# KiCad board kleingorium2.kicad_pcb
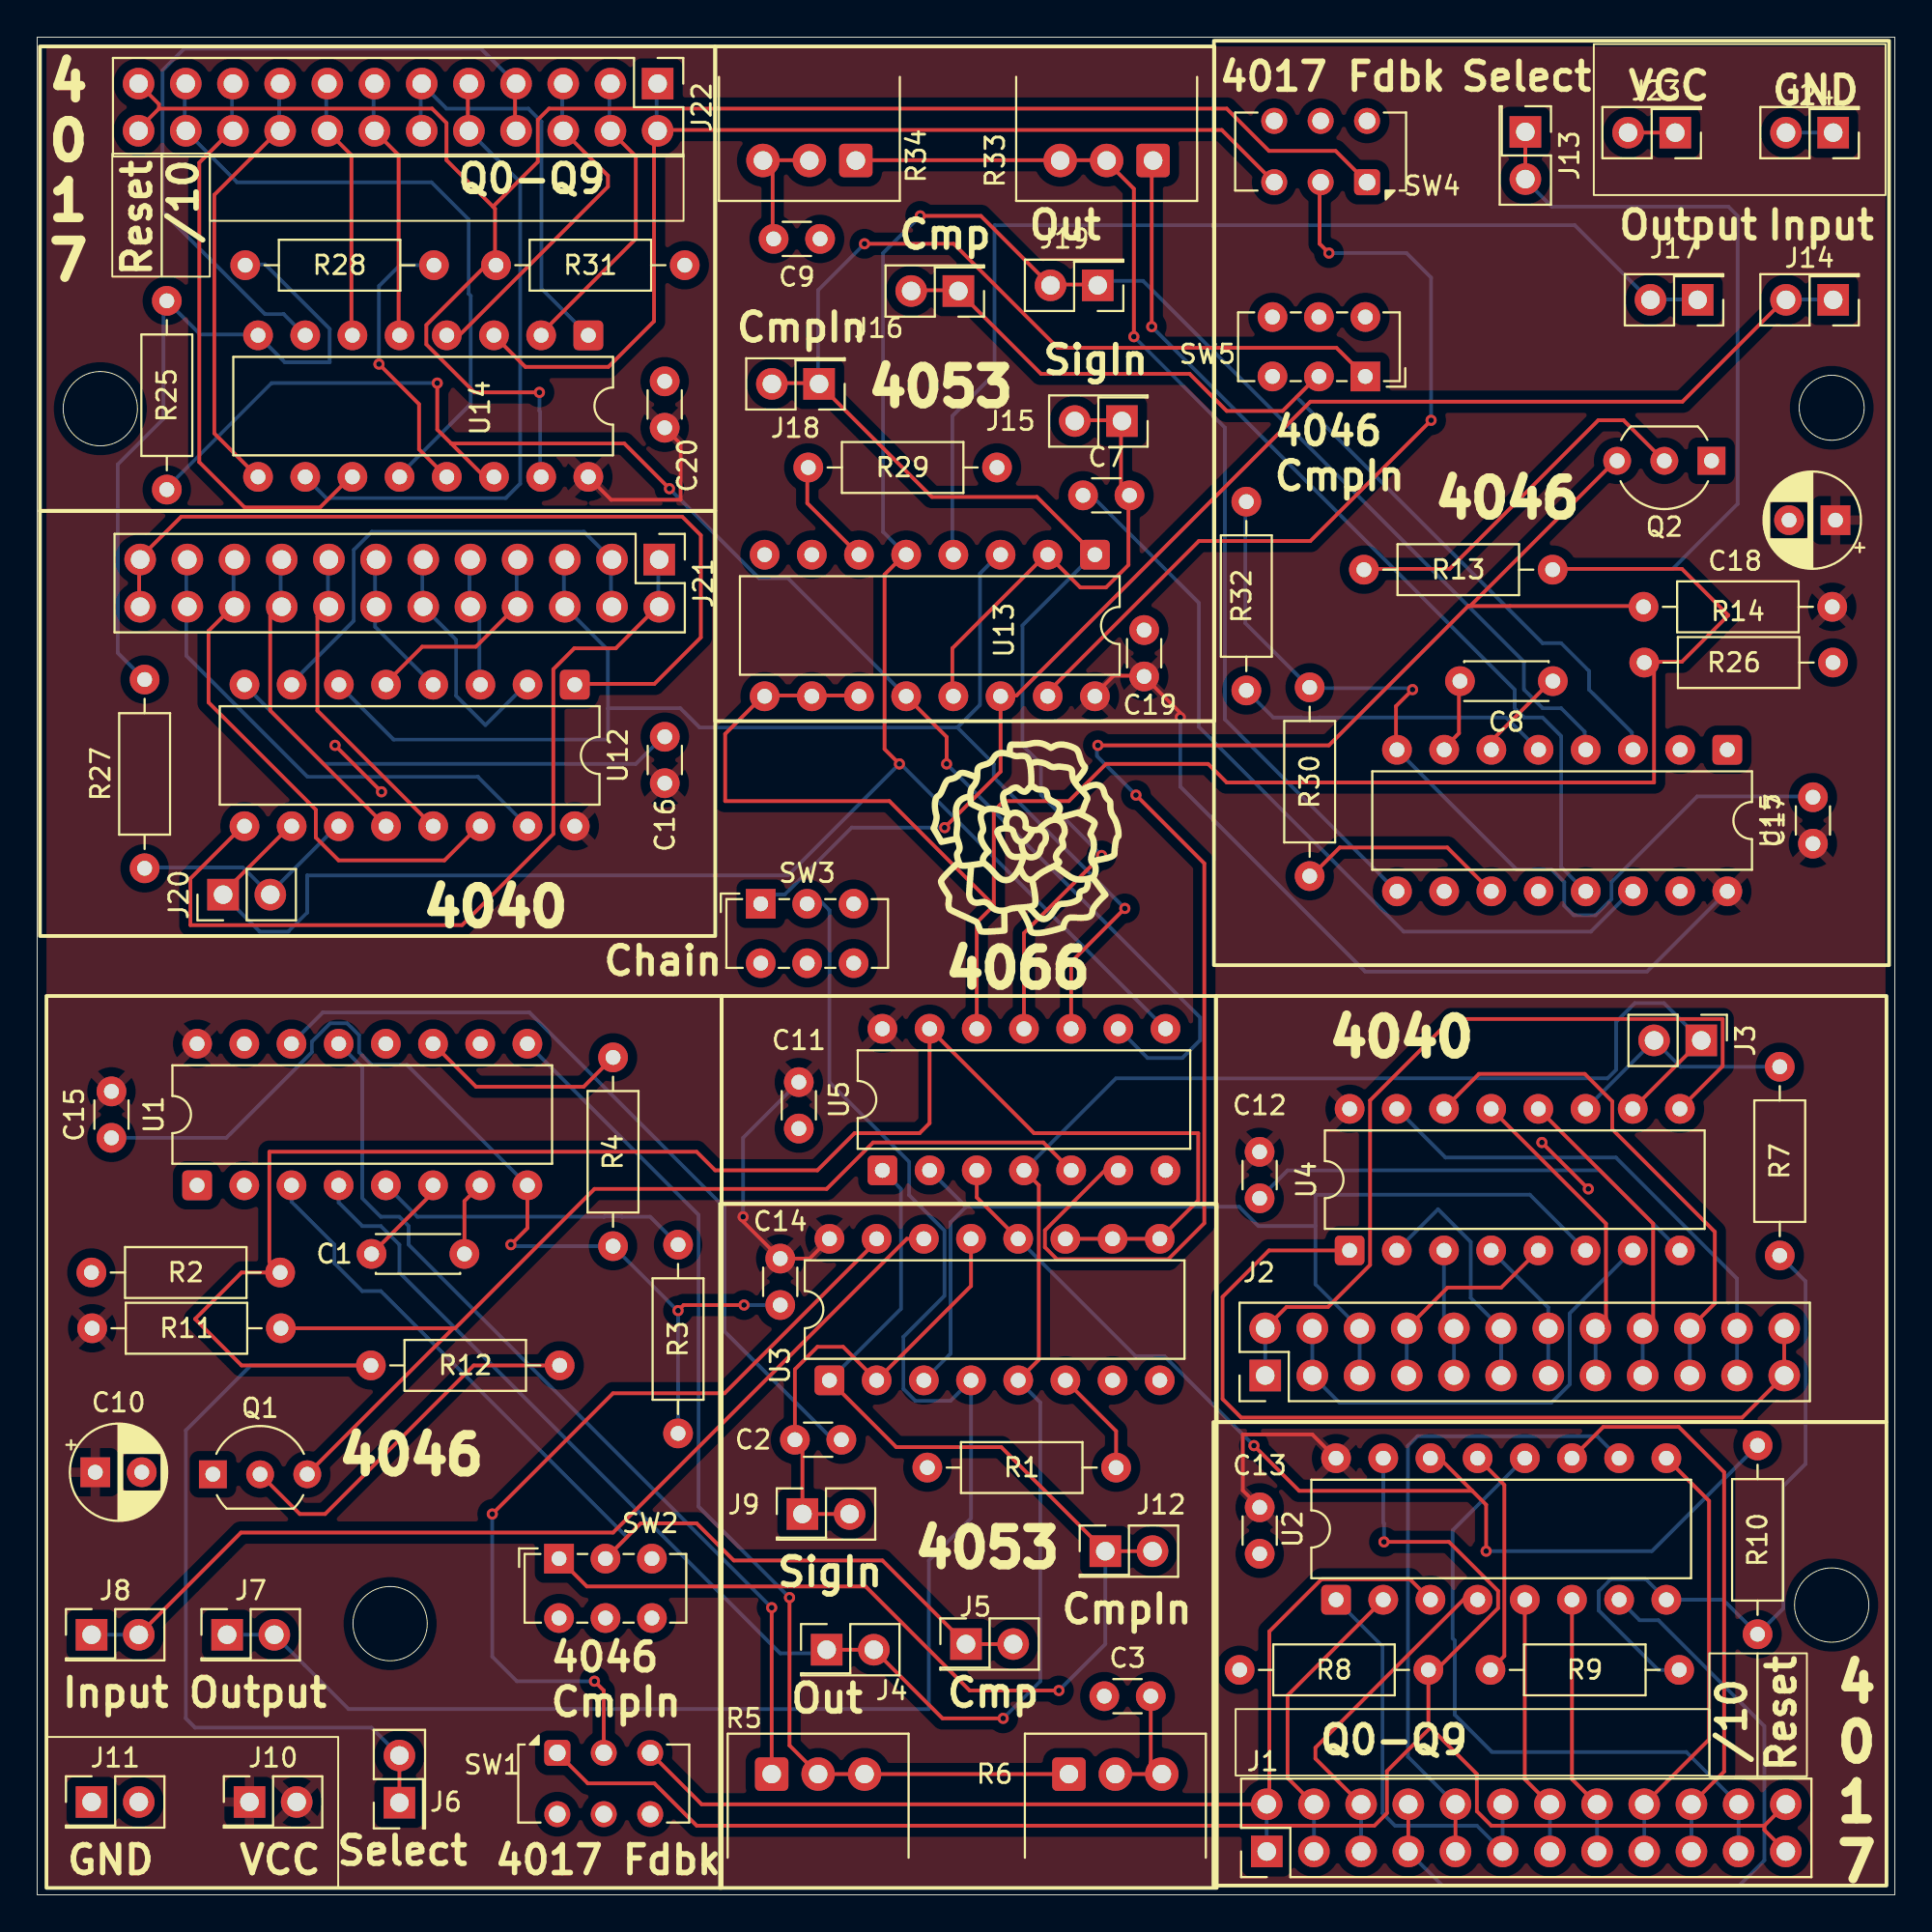
[diagram p0: board, top side]
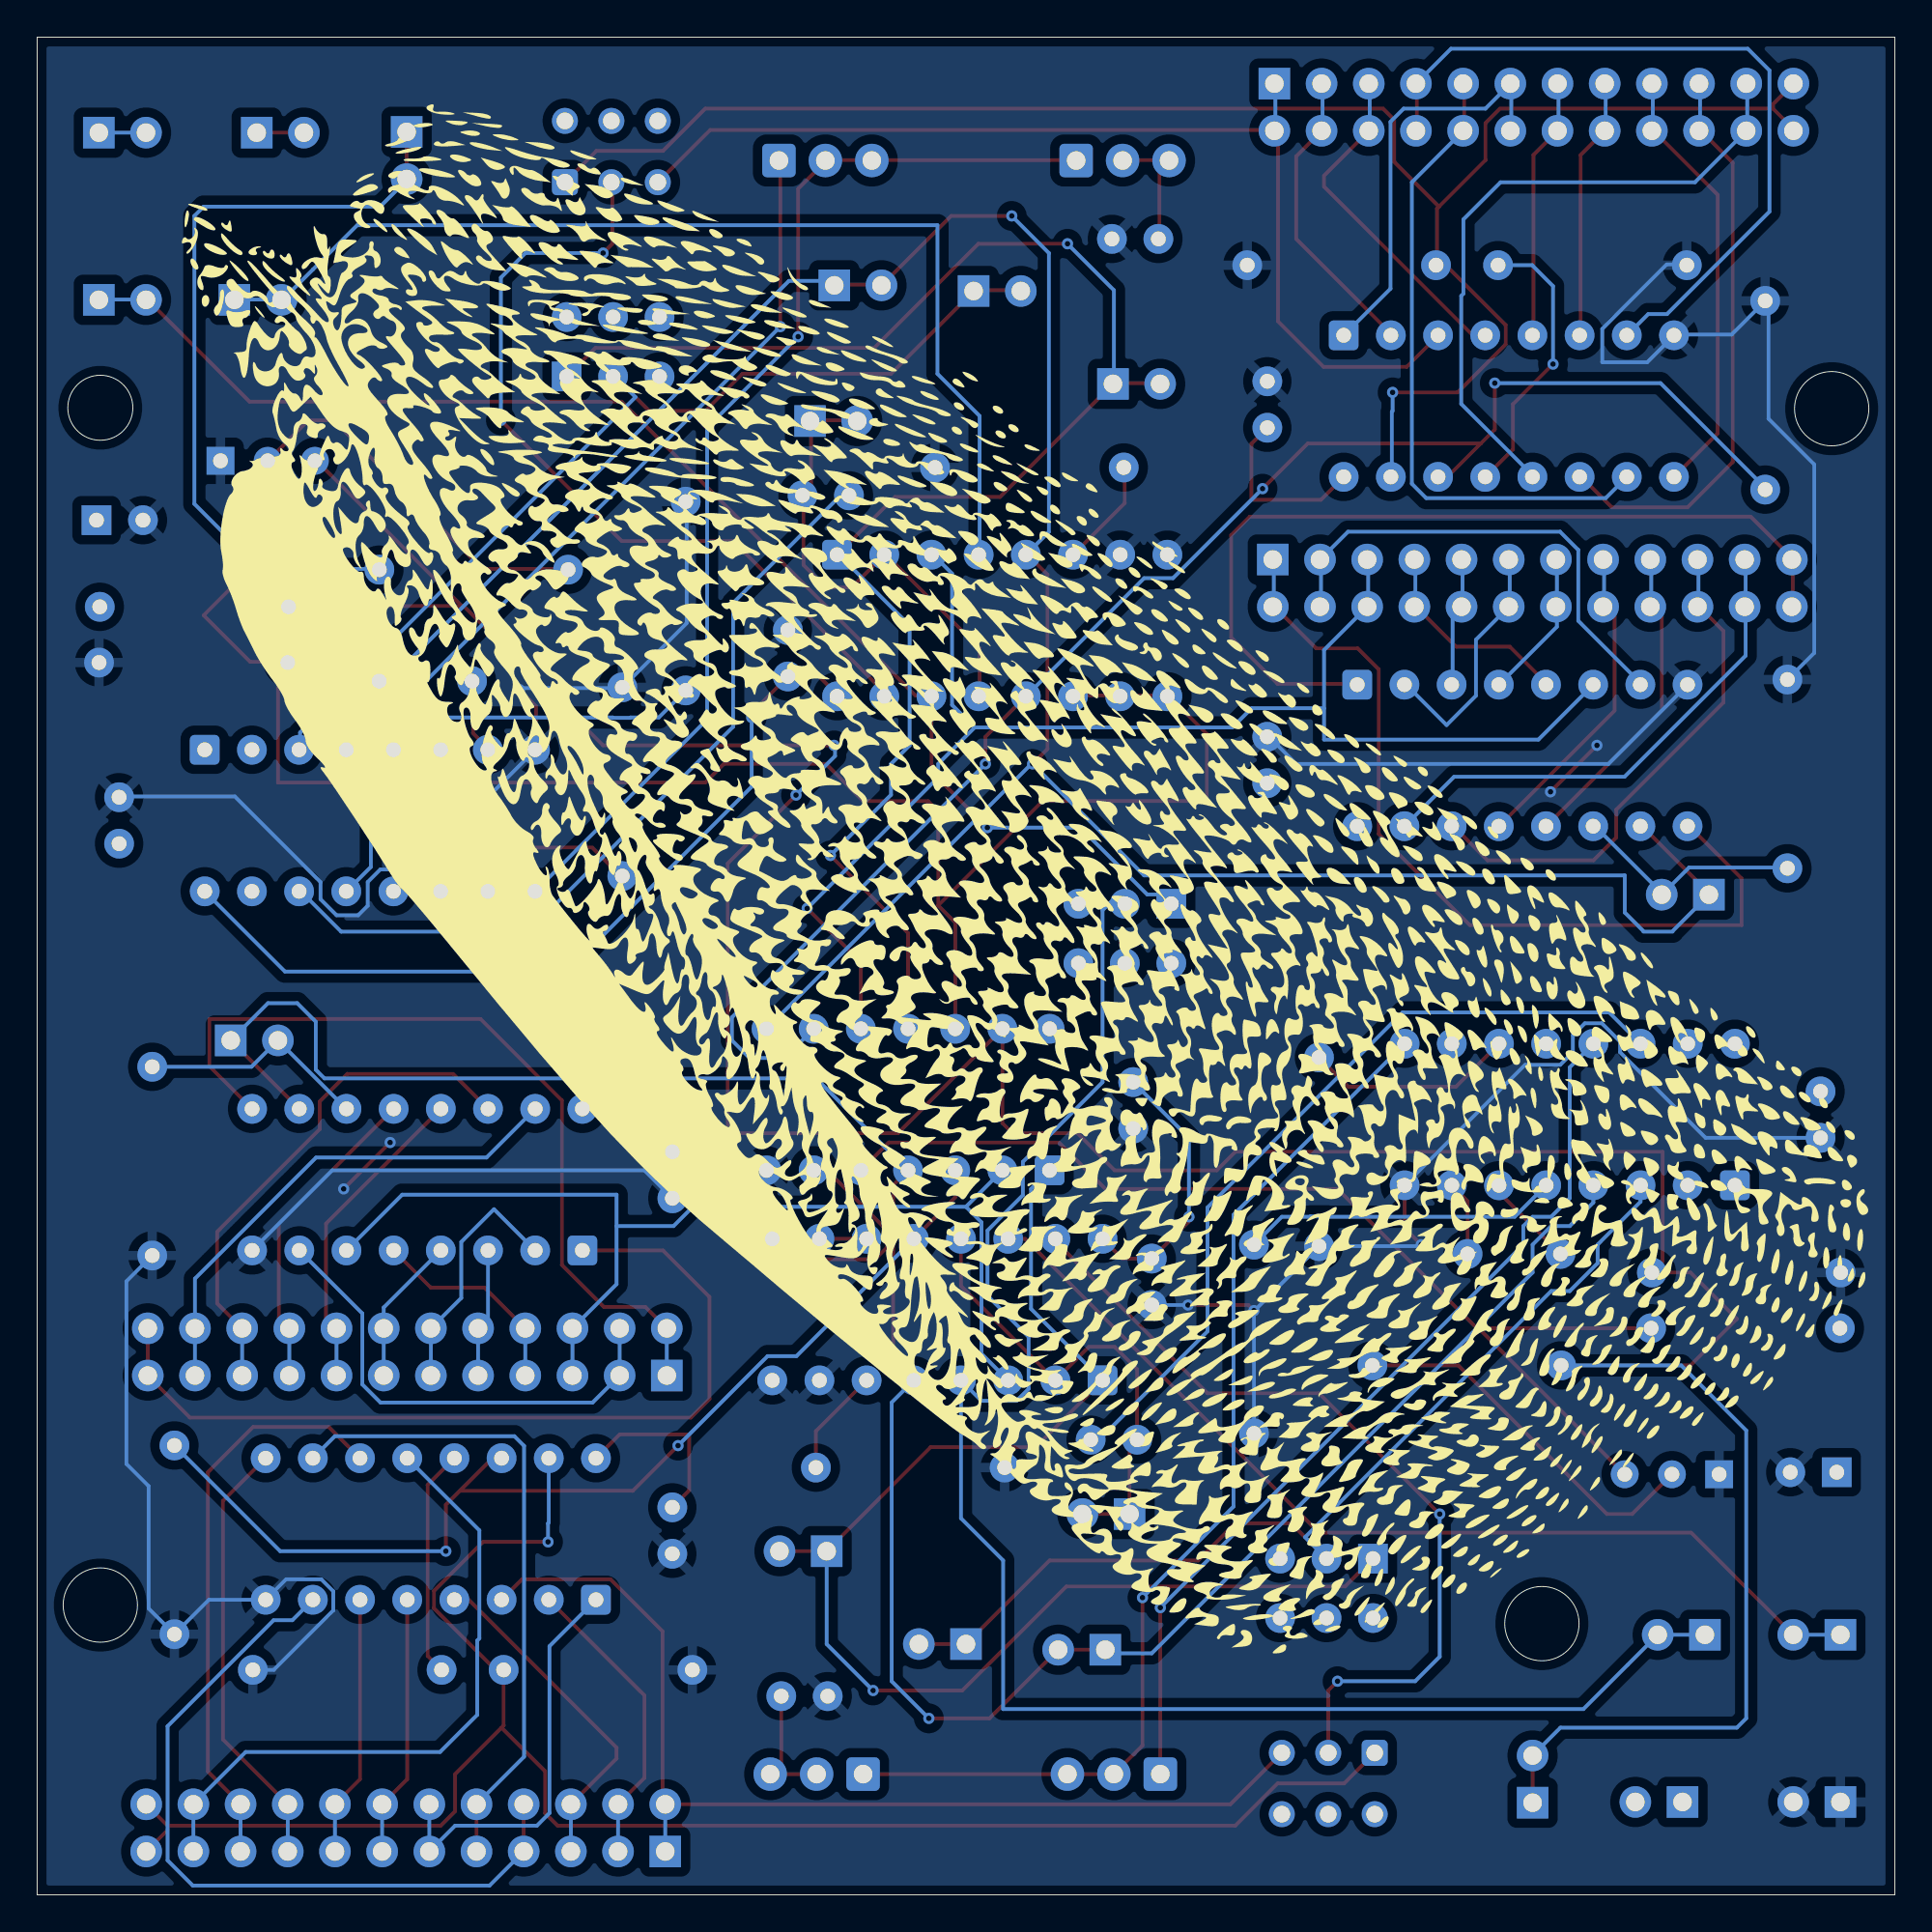
[diagram p1: board, bottom side, seen from below]

Outline 100 x 100 mm; copper layers: Top, Bottom. Coordinates in mm from the lower left corner of the outline.
Outline path: rectangle 0,100 100,0 ; circle c3.4,80 r2 ; circle c19,14.6 r2 ; circle c96.6,80.05 r1.75 ; circle c96.6,15.6 r2
Stack: Top 0.035mm / dielectric 1.51mm FR4 er 4.5 / Bottom 0.035mm

## Placement (name value [footprint] x y rotation side)
C1  C1  [C_Disc_D4.3mm_W1.9mm_P5.00mm]  18 34.5 0 top
C2  1uF  [C_Disc_D3.0mm_W1.6mm_P2.50mm]  43.29 24.5 180 top
C3  1uF  [C_Disc_D3.0mm_W1.6mm_P2.50mm]  57.44 10.69 0 top
C7  1uF  [C_Disc_D3.0mm_W1.6mm_P2.50mm]  56.3 75.33 0 top
C8  C1  [C_Disc_D4.3mm_W1.9mm_P5.00mm]  81.59 65.33 180 top
C9  1uF  [C_Disc_D3.0mm_W1.6mm_P2.50mm]  42.15 89.14 180 top
C10  10uF  [CP_Radial_D5.0mm_P2.50mm]  3.13 22.75 0 top
C11  100nF  [C_Disc_D3.0mm_W1.6mm_P2.50mm]  41 43.75 270 top
C12  100nF  [C_Disc_D3.0mm_W1.6mm_P2.50mm]  65.81 40 270 top
C13  100nF  [C_Disc_D3.0mm_W1.6mm_P2.50mm]  65.81 20.86 270 top
C14  100nF  [C_Disc_D3.0mm_W1.6mm_P2.50mm]  40 34.25 270 top
C15  100nF  [C_Disc_D3.0mm_W1.6mm_P2.50mm]  4 43.25 270 top
C16  100nF  [C_Disc_D3.0mm_W1.6mm_P2.50mm]  33.78 59.84 90 top
C17  100nF  [C_Disc_D3.0mm_W1.6mm_P2.50mm]  95.59 56.58 90 top
C18  10uF  [CP_Radial_D5.0mm_P2.50mm]  96.81 74 180 top
C19  100nF  [C_Disc_D3.0mm_W1.6mm_P2.50mm]  59.59 65.58 90 top
C20  100nF  [C_Disc_D3.0mm_W1.6mm_P2.50mm]  33.78 78.97 90 top
J1  4017 Pins  [PinHeader_2x12_P2.54mm_Vertical]  66.19 2.34 90 top
J2  4040 Output  [PinHeader_2x12_P2.54mm_Vertical]  66.1 27.95 90 top
J3  4040 Input  [PinHeader_1x02_P2.54mm_Vertical]  89.58 46 270 top
J4  4046 Out  [PinHeader_2x01_P2.54mm_Vertical]  42.5 13.19 0 top
J5  4046 Comp  [PinHeader_2x01_P2.54mm_Vertical]  50 13.5 0 top
J6  Select  [PinHeader_2x01_P2.54mm_Vertical]  19.5 4.96 90 top
J7  Output  [PinHeader_2x01_P2.54mm_Vertical]  10.22 14 0 top
J8  Input  [PinHeader_2x01_P2.54mm_Vertical]  2.93 14 0 top
J9  4046 SigIn  [PinHeader_2x01_P2.54mm_Vertical]  41.19 20.5 0 top
J10  VCC  [PinHeader_2x01_P2.54mm_Vertical]  11.43 5 0 top
J11  GND  [PinHeader_2x01_P2.54mm_Vertical]  2.93 5 0 top
J12  4046 Comp In  [PinHeader_2x01_P2.54mm_Vertical]  57.5 18.5 0 top
J13  Select  [PinHeader_2x01_P2.54mm_Vertical]  80.11 94.9 270 top
J14  Input  [PinHeader_2x01_P2.54mm_Vertical]  96.68 85.86 180 top
J15  4046 SigIn  [PinHeader_2x01_P2.54mm_Vertical]  58.4 79.33 180 top
J16  4046 Comp  [PinHeader_2x01_P2.54mm_Vertical]  49.59 86.34 180 top
J17  Output  [PinHeader_2x01_P2.54mm_Vertical]  89.38 85.86 180 top
J18  4046 Comp In  [PinHeader_2x01_P2.54mm_Vertical]  42.09 81.33 180 top
J19  4046 Out  [PinHeader_2x01_P2.54mm_Vertical]  57.09 86.64 180 top
J20  4040 Input  [PinHeader_1x02_P2.54mm_Vertical]  10.01 53.84 90 top
J21  4040 Output  [PinHeader_2x12_P2.54mm_Vertical]  33.48 71.88 270 top
J22  4017 Pins  [PinHeader_2x12_P2.54mm_Vertical]  33.4 97.5 270 top
J23  VCC  [PinHeader_2x01_P2.54mm_Vertical]  88.18 94.86 180 top
J24  GND  [PinHeader_2x01_P2.54mm_Vertical]  96.68 94.86 180 top
Q1  2N3904  [TO-92_Inline_Wide]  9.46 22.64 0 top
Q2  2N3904  [TO-92_Inline_Wide]  90.13 77.19 180 top
R1  100K  [R_Axial_DIN0207_L6.3mm_D2.5mm_P10.16mm_Horizontal]  58.08 23 180 top
R2  100K  [R_Axial_DIN0207_L6.3mm_D2.5mm_P10.16mm_Horizontal]  13.08 33.5 180 top
R3  100K  [R_Axial_DIN0207_L6.3mm_D2.5mm_P10.16mm_Horizontal]  34.5 35 270 top
R4  100K  [R_Axial_DIN0207_L6.3mm_D2.5mm_P10.16mm_Horizontal]  31 45.08 270 top
R5  R5  [Potentiometer_Alps_RK097_Single_Horizontal]  39.54 6.5 90 top
R6  R6  [Potentiometer_Alps_RK097_Single_Horizontal]  55.54 6.5 90 top
R7  100K  [R_Axial_DIN0207_L6.3mm_D2.5mm_P10.16mm_Horizontal]  93.81 44.58 270 top
R8  100K  [R_Axial_DIN0207_L6.3mm_D2.5mm_P10.16mm_Horizontal]  74.89 12.11 180 top
R9  100K  [R_Axial_DIN0207_L6.3mm_D2.5mm_P10.16mm_Horizontal]  78.23 12.11 0 top
R10  100K  [R_Axial_DIN0207_L6.3mm_D2.5mm_P10.16mm_Horizontal]  92.61 24.19 270 top
R11  10k  [R_Axial_DIN0207_L6.3mm_D2.5mm_P10.16mm_Horizontal]  2.96 30.5 0 top
R12  100k  [R_Axial_DIN0207_L6.3mm_D2.5mm_P10.16mm_Horizontal]  17.97 28.5 0 top
R13  100k  [R_Axial_DIN0207_L6.3mm_D2.5mm_P10.16mm_Horizontal]  81.58 71.33 180 top
R14  10k  [R_Axial_DIN0207_L6.3mm_D2.5mm_P10.16mm_Horizontal]  96.63 69.33 180 top
R25  100K  [R_Axial_DIN0207_L6.3mm_D2.5mm_P10.16mm_Horizontal]  6.98 75.64 90 top
R26  100K  [R_Axial_DIN0207_L6.3mm_D2.5mm_P10.16mm_Horizontal]  86.51 66.33 0 top
R27  100K  [R_Axial_DIN0207_L6.3mm_D2.5mm_P10.16mm_Horizontal]  5.78 55.26 90 top
R28  100K  [R_Axial_DIN0207_L6.3mm_D2.5mm_P10.16mm_Horizontal]  21.36 87.72 180 top
R29  100K  [R_Axial_DIN0207_L6.3mm_D2.5mm_P10.16mm_Horizontal]  41.51 76.83 0 top
R30  100K  [R_Axial_DIN0207_L6.3mm_D2.5mm_P10.16mm_Horizontal]  68.5 54.84 90 top
R31  100K  [R_Axial_DIN0207_L6.3mm_D2.5mm_P10.16mm_Horizontal]  24.7 87.72 0 top
R32  100K  [R_Axial_DIN0207_L6.3mm_D2.5mm_P10.16mm_Horizontal]  65.09 64.83 90 top
R33  R5  [Potentiometer_Alps_RK097_Single_Horizontal]  60.07 93.36 270 top
R34  R6  [Potentiometer_Alps_RK097_Single_Horizontal]  44.07 93.36 270 top
SW1  4017 Feedback  [SW_CK_JS202011CQN_DPDT_Straight]  28 7.64 0 top
SW2  4046 CompIn  [SW_E-Switch_EG1271_SPDT]  28.09 18.1 0 top
SW3  Chain  [SW_E-Switch_EG1271_SPDT]  38.95 53.35 0 top
SW4  4017 Feedback  [SW_CK_JS202011CQN_DPDT_Straight]  71.59 92.19 180 top
SW5  4046 CompIn  [SW_E-Switch_EG1271_SPDT]  71.5 81.73 180 top
U1  4046  [DIP-16_W7.62mm]  8.61 38.19 90 top
U2  4017  [DIP-16_W7.62mm]  69.92 15.88 90 top
U3  CD4053B  [DIP-16_W7.62mm]  42.65 27.69 90 top
U4  4040  [DIP-16_W7.62mm]  70.65 34.69 90 top
U5  CD4066BE  [DIP-14_W7.62mm]  45.5 39 90 top
U12  4040  [DIP-16_W7.62mm]  28.94 65.14 270 top
U13  CD4053B  [DIP-16_W7.62mm]  56.94 72.14 270 top
U14  4017  [DIP-16_W7.62mm]  29.67 83.95 270 top
U15  4046  [DIP-16_W7.62mm]  90.98 61.64 270 top

## Library data of the parts
C1 C8 C11-C17 C19 C20 = -: Description: Unpolarized capacitor, small symbol; ki_fp_filters: C_*
C2 C3 C7 C9 = -: Description: Unpolarized capacitor; ki_fp_filters: C_*
C10 C18 = -: Description: Polarized capacitor; ki_fp_filters: CP_*
J1 J2 J21 J22 = -: Description: Generic connector, double row, 02x12, odd/even pin numbering scheme (row 1 odd numbers, row 2 even numbers), script generated (kicad-library-utils/schlib/autogen/connector/); ki_fp_filters: Connector*:*_2x??_*
J3 J20 = -: Description: Generic connector, single row, 01x02, script generated (kicad-library-utils/schlib/autogen/connector/); ki_fp_filters: Connector*:*_1x??_*
J4-J19 J23 J24 = -: Description: Generic connector, double row, 02x01, this symbol is compatible with counter-clockwise, top-bottom and odd-even numbering schemes., script generated (kicad-library-utils/schlib/autogen/connector/); ki_fp_filters: Connector*:*_2x??_*
Q1 Q2 = -: Datasheet: https://www.onsemi.com/pub/Collateral/2N3903-D.PDF; Description: 0.2A Ic, 40V Vce, Small Signal NPN Transistor, TO-92; ki_fp_filters: TO?92*
R1-R4 R7-R14 R25-R32 = -: Description: Resistor, small symbol; ki_fp_filters: R_*
R5 R6 R33 R34 = -: Description: Potentiometer; ki_fp_filters: Potentiometer*
SW1 SW4 = -: Description: Switch, dual pole double throw, separate symbols; ki_fp_filters: SW*DPDT*
SW2 SW3 SW5 = -: Description: Switch, single pole double throw
U1 U15 = -: Datasheet: https://assets.nexperia.com/documents/data-sheet/HEF4046B.pdf; Description: Phase Comp & VCO; ki_fp_filters: DIP?16*
U2 U14 = -: Datasheet: http://www.intersil.com/content/dam/Intersil/documents/cd40/cd4017bms-22bms.pdf; Description: Johnson Counter ( 10 outputs ); ki_fp_filters: DIP?16*
U3 U13 = -: Datasheet: http://www.ti.com/lit/ds/symlink/cd4052b.pdf; Description: CMOS triple 2-channel analog multiplexer/demultiplexer, TSSOP-16/DIP-16/SOIC-16; ki_fp_filters: TSSOP*4.4x5mm*P0.65mm* DIP*W7.62* SOIC*3.9x9.9mm*P1.27mm* SO*5.3x10.2mm*P1.27mm*
U4 U12 = -: Datasheet: http://www.intersil.com/content/dam/Intersil/documents/cd40/cd4020bms-24bms-40bms.pdf; Description: Binary Counter 12 stages (Asynchronous); ki_fp_filters: DIP?16*
U5 = -: Datasheet: https://www.ti.com/lit/ds/symlink/cd4066b.pdf; Description: Quad 20V analog SPST 1:1 switch, DIP-14; ki_fp_filters: DIP*W7.62*

## Footprints (pads in the part's own frame, mm; a bottom-side part is the same pattern mirrored in y, then rotated)
C_Disc_D3.0mm_W1.6mm_P2.50mm
  round 1.6 hole 0.8: 1(0,0) 2(2.5,0)
C_Disc_D4.3mm_W1.9mm_P5.00mm
  round 1.6 hole 0.8: 1(0,0) 2(5,0)
CP_Radial_D5.0mm_P2.50mm
  rect 1.6x1.6 hole 0.8: 1(0,0)
  round 1.6 hole 0.8: 2(2.5,0)
DIP-14_W7.62mm
  rrect 1.6x1.6 hole 0.8: 1(0,0)
  round 1.6 hole 0.8: 2(0,-2.54) 3(0,-5.08) 4(0,-7.62) 5(0,-10.16) 6(0,-12.7) 7(0,-15.24) 8(7.62,-15.24) 9(7.62,-12.7) 10(7.62,-10.16) 11(7.62,-7.62) 12(7.62,-5.08) 13(7.62,-2.54) 14(7.62,0)
DIP-16_W7.62mm
  rrect 1.6x1.6 hole 0.8: 1(0,0)
  round 1.6 hole 0.8: 2(0,-2.54) 3(0,-5.08) 4(0,-7.62) 5(0,-10.16) 6(0,-12.7) 7(0,-15.24) 8(0,-17.78) 9(7.62,-17.78) 10(7.62,-15.24) 11(7.62,-12.7) 12(7.62,-10.16) 13(7.62,-7.62) 14(7.62,-5.08) 15(7.62,-2.54) 16(7.62,0)
PinHeader_1x02_P2.54mm_Vertical
  rect 1.7x1.7 hole 1: 1(0,0)
  round 1.7 hole 1: 2(0,-2.54)
PinHeader_2x01_P2.54mm_Vertical
  rect 1.7x1.7 hole 1: 1(0,0)
  round 1.7 hole 1: 2(2.54,0)
PinHeader_2x12_P2.54mm_Vertical
  rect 1.7x1.7 hole 1: 1(0,0)
  round 1.7 hole 1: 2(2.54,0) 3(0,-2.54) 4(2.54,-2.54) 5(0,-5.08) 6(2.54,-5.08) 7(0,-7.62) 8(2.54,-7.62) 9(0,-10.16) 10(2.54,-10.16) 11(0,-12.7) 12(2.54,-12.7) 13(0,-15.24) 14(2.54,-15.24) 15(0,-17.78) 16(2.54,-17.78) 17(0,-20.32) 18(2.54,-20.32) 19(0,-22.86) 20(2.54,-22.86) 21(0,-25.4) 22(2.54,-25.4) 23(0,-27.94) 24(2.54,-27.94)
Potentiometer_Alps_RK097_Single_Horizontal
  rrect 1.8x1.8 hole 1: 1(0,0)
  round 1.8 hole 1: 2(0,-2.5) 3(0,-5)
R_Axial_DIN0207_L6.3mm_D2.5mm_P10.16mm_Horizontal
  round 1.6 hole 0.8: 1(0,0)
  oval 1.6x1.6 hole 0.8: 2(10.16,0)
SW_CK_JS202011CQN_DPDT_Straight
  rrect 1.4x1.4 hole 0.9: 1(0,0)
  round 1.4 hole 0.9: 2(2.5,0) 3(5,0) 4(5,-3.3) 5(2.5,-3.3) 6(0,-3.3)
SW_E-Switch_EG1271_SPDT
  rect 1.6x1.6 hole 0.8: 1(0,0)
  round 1.6 hole 0.8: 2(2.5,0) 3(5,0) 4(0,-3.2) 5(2.5,-3.2) 6(5,-3.2)
TO-92_Inline_Wide
  rect 1.5x1.5 hole 0.8: 1(0,0)
  round 1.5 hole 0.8: 2(2.54,0) 3(5.08,0)

## Nets
GND: C3.1 C9.1 C10.2 C11.2 C12.2 C13.2 C14.2 C15.2 C16.2 C17.2 C18.2 C19.2 C20.2 J11.1 J11.2 Q1.1 Q2.1 R1.2 R2.2 R3.2 R4.2 R7.2 R8.2 R9.2 R10.2 R25.2 R26.2 R27.2 R28.2 R29.2 R30.2 R31.2 R32.2 U1.8 U2.8 U3.7 U3.8 U4.8 U5.7 U12.8 U13.7 U13.8 U14.8 U15.8
VCC: C10.1 C11.1 C12.1 C13.1 C14.1 C15.1 C16.1 C17.1 C18.1 C19.1 C20.1 J10.1 J10.2 R11.1 R14.1 U1.16 U2.16 U3.16 U4.16 U5.14 U12.16 U13.16 U14.16 U15.16
/4017 2/Clock: R25.1 U5.9 U13.12 U14.14
/4017 2/ClockEnable: R28.1 U14.13
/4017 2/Q0: J22.1 J22.2 SW4.3 U14.3
/4017 2/Q1: J22.3 J22.4 U14.2
/4017 2/Q2: J22.5 J22.6 U14.4
/4017 2/Q3: J22.7 J22.8 U14.7
/4017 2/Q4: J22.9 J22.10 U14.10
/4017 2/Q5: J22.11 J22.12 U14.1
/4017 2/Q6: J22.13 J22.14 U14.5
/4017 2/Q7: J22.15 J22.16 U14.6
/4017 2/Q8: J22.17 J22.18 U14.9
/4017 2/Q9: J22.19 J22.20 U14.11
/4017 2/Q10: J22.21 J22.22 U14.12
/4017 2/Reset: J22.23 J22.24 R31.1 SW4.1 U14.15
/4017/Clock: R10.1 U2.14 U3.12 U5.3
/4017/ClockEnable: R9.1 U2.13
/4017/Q0: J1.1 J1.2 SW1.3 U2.3
/4017/Q1: J1.3 J1.4 U2.2
/4017/Q2: J1.5 J1.6 U2.4
/4017/Q3: J1.7 J1.8 U2.7
/4017/Q4: J1.9 J1.10 U2.10
/4017/Q5: J1.11 J1.12 U2.1
/4017/Q6: J1.13 J1.14 U2.5
/4017/Q7: J1.15 J1.16 U2.6
/4017/Q8: J1.17 J1.18 U2.9
/4017/Q9: J1.19 J1.20 U2.11
/4017/Q10: J1.21 J1.22 U2.12
/4017/Reset: J1.23 J1.24 R8.1 SW1.1 U2.15
/4040 2/Clock: J19.1 J19.2 J20.1 U5.8 U12.10 U13.5 U15.4
/4040 2/Q0: J21.1 J21.2 U12.9
/4040 2/Q1: J21.3 J21.4 U12.7
/4040 2/Q2: J21.5 J21.6 U5.10 U12.6 U13.3
/4040 2/Q3: J21.7 J21.8 U12.5
/4040 2/Q4: J21.9 J21.10 U12.3
/4040 2/Q5: J21.11 J21.12 U12.2
/4040 2/Q6: J21.13 J21.14 U12.4
/4040 2/Q7: J21.15 J21.16 U12.13
/4040 2/Q8: J21.17 J21.18 U12.12
/4040 2/Q9: J21.19 J21.20 U12.14
/4040 2/Q10: J21.21 J21.22 U12.15
/4040 2/Q11: J21.23 J21.24 U12.1
/4040 2/Reset: J20.2 R27.1 U12.11
/4040/Clock: J3.1 J4.1 J4.2 U1.4 U3.5 U4.10 U5.4
/4040/Q0: J2.1 J2.2 U4.9
/4040/Q1: J2.3 J2.4 U4.7
/4040/Q2: J2.5 J2.6 U3.3 U4.6 U5.2
/4040/Q3: J2.7 J2.8 U4.5
/4040/Q4: J2.9 J2.10 U4.3
/4040/Q5: J2.11 J2.12 U4.2
/4040/Q6: J2.13 J2.14 U4.4
/4040/Q7: J2.15 J2.16 U4.13
/4040/Q8: J2.17 J2.18 U4.12
/4040/Q9: J2.19 J2.20 U4.14
/4040/Q10: J2.21 J2.22 U4.15
/4040/Q11: J2.23 J2.24 U4.1
/4040/Reset: J3.2 R7.1 U4.11
/4046 2/Comp: J16.1 J16.2 SW5.2 U15.3
/4046 2/SigIn: C7.2 J15.1 J15.2 U13.2 U13.13
/4046/Comp: J5.1 J5.2 SW2.2 U1.3
/4046/SigIn: C2.2 J9.1 J9.2 U3.2 U3.13
/4053 2/A: J14.1 J14.2 SW3.1 U13.14
/4053 2/B: SW4.2 U13.15
/4053 2/B1: J18.1 J18.2 SW5.1 U5.11 U13.1
/4053 2/C: J17.1 J17.2 U13.4
/4053 2/Select: J13.1 J13.2 R13.1 R26.1 U5.12 U13.9 U13.10 U13.11
/4053/A: J8.1 J8.2 U3.14
/4053/B: SW1.2 U3.15
/4053/B1: J12.1 J12.2 SW2.1 U3.1 U5.1
/4053/C: J7.1 J7.2 SW3.2 U3.4
/4053/Select: J6.1 J6.2 R2.1 R12.1 U3.9 U3.10 U3.11 U5.13
/4066/Ben: Q1.3 R11.2 U5.5
/4066/Cen: Q2.3 R14.2 U5.6
Net-(C3-Pad2): C3.2 R6.2 R6.3
Net-(C9-Pad2): C9.2 R34.2 R34.3
Net-(J23-Pin_1): J23.1 J23.2
Net-(J24-Pin_1): J24.1 J24.2
Net-(Q1-B): Q1.2 R12.2
Net-(Q2-B): Q2.2 R13.2
Net-(U1-C1): C1.1 U1.6
Net-(U1-C2): C1.2 U1.7
Net-(U1-Inh): R3.1 U1.5
Net-(U1-PC2): R5.1 U1.13
Net-(U1-R1): R4.1 U1.11
Net-(U1-SigIn): C2.1 U1.14
Net-(U1-VCOin): R5.2 R5.3 R6.1 U1.9
Net-(U3-INH): R1.1 U3.6
Net-(U13-INH): R29.1 U13.6
Net-(U15-C1): C8.1 U15.6
Net-(U15-C2): C8.2 U15.7
Net-(U15-Inh): R32.1 U15.5
Net-(U15-PC2): R33.1 U15.13
Net-(U15-R1): R30.1 U15.11
Net-(U15-SigIn): C7.1 U15.14
Net-(U15-VCOin): R33.2 R33.3 R34.1 U15.9

Pads without a net: SW1 4 5 6; SW2 3 4 5 6; SW3 3 4 5 6; SW4 4 5 6; SW5 3 4 5 6; U1 1 2 10 12 15; U15 1 2 10 12 15

## Via types
v1: diameter 0.6, hole 0.3, Top to Bottom, 36 vias

## Routing (per net, layer and track width the routed paths; a pad name or vN(x,y) marks a point on that pad's centre or on a via; arc(x,y) is an arc through that point)
GND: length 242.3
  Top w0.2: 73.15,61.68 73.15,63.99 v1(74.04,64.88) ; v1(83.5,38) v1(81,40.5) ; U1.8 26.39,35.89 v1(25.5,35) ; v1(16.04,61.88) v1(18.54,59.38) ; v1(38.05,31.75) 34.8,31.75 v1(34.5,31.45)
  Bottom w0.2: R7.2 95.2,33.02 95.2,23.2 94,22 94,15.42 R10.2 90.75,15.88 U2.8 86.6,16.99 84.7,16.99 84.06,16.34 84.06,15.31 87.26,12.11 R9.2 ; 73.15,61.68 79.63,55.2 81.53,55.2 82.21,54.52 82.21,53.24 82.72,52.73 83.88,52.73 84.75,53.6 84.75,54.52 89.35,59.13 95.54,59.13 ; C12.2 67.31,39 84.12,39 U4.8 ; 5.73,65.46 4.34,66.85 4.34,77 6.8,79.46 6.8,85.72 6.93,85.85 8.78,83.99 11.84,83.99 13.33,82.5 15.75,82.5 15.75,84.3 12.28,87.77 11.15,87.77 ; R3.2 34.5,31.42 R4.2 25.58,34.92 v1(25.5,35) ; U1.8 19.9,44.68 18.01,44.68 17.33,45.36 17.33,46.27 16.69,46.92 15.77,46.92 14.79,45.93 14.79,45.36 10.18,40.75 C15.2 ; v1(74.04,64.88) 73.96,64.96 68.54,64.96 65.04,68.46 65.04,75.04 ; 11.11,65.19 15.42,60.88 32.23,60.88 33.73,62.38 ; C14.2 v1(38.05,31.75)
VCC: length 79.6
  Top w0.2: v1(38,36.5) 38,36.25 C14.1 41.59,34.25 U3.16 ; 56.89,64.56 57.95,65.63 59.54,65.63 61.54,63.63 v1(61.54,63.38) ; C13.1 64.9,21.77 64.9,24.78 68.64,24.78 U2.16 ; 29.62,76.37 30.89,75.09 34.64,75.09 34.64,78.11 33.73,79.02
  Bottom w0.2: C11.1 38,40.75 v1(38,36.5) ; U15.16 86.66,49.7 71.49,49.7 61.54,59.65 v1(61.54,63.38)
/4017 2/Clock: length 84.1
  Top w0.2: v1(48.96,60.88) 48.96,62.33 46.73,64.56 ; 22.29,78.13 24.04,76.37 24.54,76.37 ; 22.29,78.13 21.54,78.88 v1(21.54,81.38) ; 22.29,78.13 31.6,78.13 v1(34.04,75.7)
  Bottom w0.2: 46.73,64.56 40.41,70.88 38.85,70.88 v1(34.04,75.7) ; v1(21.54,81.38) 12.62,81.38 6.93,75.69 ; U5.9 59.77,45.05 61.65,45.05 62.6,46 62.6,47.23 v1(48.96,60.88)
/4017 2/ClockEnable: length 15.1
  Top w0.2: 22,76.37 20.56,77.81 20.56,80.24 v1(18.4,82.4)
  Bottom w0.2: R28.1 19.53,87.72 18.4,86.6 v1(18.4,82.4)
/4017 2/Q0: length 57.6
  Top w0.2: 24.54,83.99 26.28,82.25 30.75,82.25 33.21,84.71 33.21,94.86 33.35,95 63.77,95 66.54,92.23
  Bottom w0.2: 33.35,95 33.35,97.54
/4017 2/Q1: length 16.3
  Top w0.2: 27.08,83.99 32.23,89.14 32.23,93.58 30.81,95
  Bottom w0.2: 30.81,95 30.81,97.54
/4017 2/Q2: length 18.6
  Top w0.2: 22,83.99 22.76,83.99 30.73,91.95 30.73,92.54 28.27,95
  Bottom w0.2: 28.27,95 28.27,97.54
/4017 2/Q3: length 40.7
  Top w0.2: 25.73,95 25.73,97.54
  Bottom w0.2: 25.73,97.54 23.89,99.38 7.92,99.38 6.75,98.21 6.75,90.61 12.26,85.09 13.28,85.09 14.38,83.99
/4017 2/Q4: length 35.4
  Top w0.2: 23.19,95 23.19,97.54
  Bottom w0.2: 23.05,94.86 23.19,95 26,92.19 26,75.96 25.23,75.19 15.56,75.19 14.38,76.37
/4017 2/Q5: length 22.4
  Bottom w0.2: 20.65,95 20.65,97.54 22.04,96.15 26.44,96.15 27.15,95.44 27.15,86.46 29.62,83.99
/4017 2/Q6: length 14.1
  Top w0.2: 19.46,83.99 19.46,93.65 18.11,95
  Bottom w0.2: 18.11,95 18.11,97.54
/4017 2/Q7: length 14.1
  Top w0.2: 16.92,83.99 16.92,93.65 15.57,95
  Bottom w0.2: 15.57,95 15.57,97.54
/4017 2/Q8: length 23.6
  Top w0.2: 13.03,95 9.54,91.51 9.54,78.67 11.84,76.37
  Bottom w0.2: 13.03,95 13.03,97.54
/4017 2/Q9: length 31
  Top w0.2: 10.49,95 8.73,93.24 8.73,77.13 11.17,74.69 15.23,74.69 16.92,76.37
  Bottom w0.2: 10.49,95 10.49,97.54
/4017 2/Q10: length 35.3
  Bottom w0.2: 7.95,97.54 7.95,95 10.76,92.19 21.23,92.19 23.23,90.19 23.23,86.19 23.34,86.07 23.34,80.26 19.46,76.37
/4017 2/Reset: length 97.9
  Top w0.2: 6.56,96.15 6.56,96.39 5.41,97.54 ; 6.56,96.15 21.26,96.15 22.04,95.38 22.04,93.38 24.54,90.88 ; 6.56,96.15 5.41,95 ; 24.54,90.88 24.65,90.77 24.65,87.77 24.21,87.77 20.95,84.5 20.95,83.46 23.54,80.88 v1(27.04,80.88) ; 24.54,90.88 26.95,93.29 26.95,95.55 27.55,96.15 64.03,96.15 66.31,93.88 69.89,93.88 71.54,92.23
  Bottom w0.2: v1(27.04,80.88) 27.04,79.88 27.08,79.84 27.08,76.37
/4017/Clock: length 58.2
  Top w0.2: U2.14 75.5,23.5 77.25,21.75 ; v1(78,18.5) 78,21 77.25,21.75 ; U3.12 50.58,37.55 U5.3 ; 77.25,21.75 67.93,21.75 v1(65.5,24.18)
  Bottom w0.2: U3.12 59.12,29 60.68,29 v1(65.5,24.18) ; v1(78,18.5) 86.92,18.5 R10.1
/4017/ClockEnable: length 12.3
  Top w0.2: R9.1 78.98,12.86 78.98,22.07 U2.13
/4017/Q0: length 56.5
  Top w0.2: SW1.3 35.77,4.88 J1.2 66.33,5.02 66.33,14.18 69.13,16.99 73.9,16.99 U2.3
  Bottom w0.2: J1.2 J1.1
/4017/Q1: length 16.3
  Top w0.2: U2.2 67.31,10.74 67.31,6.29 J1.4
  Bottom w0.2: J1.4 J1.3
/4017/Q2: length 18.6
  Top w0.2: U2.4 76.77,15.88 68.81,7.92 68.81,7.34 J1.6
  Bottom w0.2: J1.6 J1.5
/4017/Q3: length 40.9
  Top w0.2: J1.8 J1.7
  Bottom w0.2: J1.7 75.65,0.5 91.62,0.5 92.98,1.86 92.98,9.08 87.27,14.78 86.26,14.78 U2.7
/4017/Q4: length 35.2
  Top w0.2: J1.10 J1.9
  Bottom w0.2: U2.10 83.97,24.69 74.31,24.69 73.79,24.17 73.79,7.44 J1.10 76.49,5.02
/4017/Q5: length 22.4
  Bottom w0.2: U2.1 72.42,13.38 72.42,4.4 73.1,3.72 77.5,3.72 J1.11 J1.12
/4017/Q6: length 14.1
  Top w0.2: J1.14 80.08,6.22 U2.5
  Bottom w0.2: J1.14 J1.13
/4017/Q7: length 14.1
  Top w0.2: J1.16 82.62,6.22 U2.6
  Bottom w0.2: J1.16 J1.15
/4017/Q8: length 23.6
  Top w0.2: U2.9 90,21.2 90,8.37 J1.18
  Bottom w0.2: J1.18 J1.17
/4017/Q9: length 31
  Top w0.2: U2.11 84.31,25.19 88.37,25.19 90.81,22.75 90.81,6.63 J1.20
  Bottom w0.2: J1.20 J1.19
/4017/Q10: length 35.3
  Bottom w0.2: J1.21 J1.22 88.78,7.69 78.31,7.69 76.31,9.69 76.31,13.69 76.2,13.8 76.2,19.62 U2.12
/4017/Reset: length 97.9
  Top w0.2: 75,9 77.5,6.5 77.5,4.5 78.28,3.72 92.98,3.72 ; 75,9 72.66,6.66 72.66,4.4 71.98,3.72 35.5,3.72 33.23,6 29.64,6 SW1.1 ; 75,9 74.89,9.11 R8.1 75.32,12.11 78.64,15.43 78.64,16.36 76,19 v1(72.5,19) ; 92.98,3.72 92.98,3.49 J1.23 ; 92.98,3.72 J1.24
  Bottom w0.2: v1(72.5,19) 72.5,20 72.46,20.04 U2.15
/4040 2/Clock: length 148.5
  Top w0.2: 13.65,57.57 9.96,53.88 9.96,53.88 ; v1(46.42,60.88) 45.62,61.68 45.62,71.07 46.73,72.18 ; v1(47.54,90.38) 50.8,90.38 54.5,86.68 57.04,86.68
  Bottom w0.2: 13.54,51.88 14.54,52.88 14.54,54.88 40.42,54.88 v1(46.42,60.88) 46.48,60.88 U5.8 ; 57.04,86.68 57.23,86.88 59.54,86.88 80.04,66.38 80.04,64.88 81.04,63.88 82.04,63.88 83.31,62.61 83.31,61.68 ; 11.96,51.88 9.96,53.88 ; 46.73,72.18 45.54,73.37 45.54,88.38 v1(47.54,90.38) ; 11.96,51.85 13.54,51.85
/4040 2/Q0: length 46.6
  Top w0.2: 11.11,57.57 8.25,54.71 8.25,52.2 22.87,52.2 27.79,57.11 27.79,65.97 28.91,67.1 31.15,67.1 33.43,69.38
  Bottom w0.2: 33.43,69.38 33.43,71.92
/4040 2/Q1: length 26
  Bottom w0.2: 30.89,69.38 30.89,71.92 29.44,73.38 18.02,73.38 17.04,72.4 17.04,68.58 13.65,65.19
/4040 2/Q2: length 77.2
  Top w0.2: v1(58.55,53.1) 55.66,50.21 U5.10
  Bottom w0.2: 49.54,62.84 35.66,62.84 34.62,63.88 30.73,63.88 ; 49.54,62.84 50.75,64.05 50.75,71.13 51.81,72.18 ; 49.54,62.84 51.5,60.88 51.5,60.15 v1(58.55,53.1) ; 30.73,63.88 30.73,67.01 28.35,69.38 28.35,71.92 ; 30.73,63.88 30.73,62.19 19.19,62.19 16.19,65.19
/4040 2/Q3: length 11.4
  Top w0.2: 18.73,65.19 20.73,67.19 23.62,67.19 25.81,69.38
  Bottom w0.2: 25.81,69.38 25.81,71.92
/4040 2/Q4: length 7
  Bottom w0.2: 23.81,65.19 23.81,68.85 23.27,69.38 23.27,71.92
/4040 2/Q5: length 13.5
  Bottom w0.2: 26.35,65.19 24.13,62.97 22.55,64.55 22.55,67.56 20.73,69.38 20.73,71.92
/4040 2/Q6: length 8
  Bottom w0.2: 21.27,65.19 18.19,68.26 18.19,71.92
/4040 2/Q7: length 17.1
  Top w0.2: 15.65,69.38 15.09,68.82 15.09,63.75 21.27,57.57
  Bottom w0.2: 15.65,69.38 15.65,71.92
/4040 2/Q8: length 17.1
  Top w0.2: 13.11,69.38 12.55,68.82 12.55,63.75 18.73,57.57
  Bottom w0.2: 13.11,69.38 13.11,71.92
/4040 2/Q9: length 28.1
  Top w0.2: 23.81,57.57 21.93,55.69 16.23,55.69 15,56.91 15,58.41 9.23,64.19 9.23,68.04 10.57,69.38
  Bottom w0.2: 10.57,69.38 10.57,71.92
/4040 2/Q10: length 27.3
  Bottom w0.2: 8.03,71.92 8.03,66.71 14.55,60.19 23.73,60.19 26.35,57.57
/4040 2/Q11: length 47.5
  Top w0.2: 5.49,69.38 5.49,71.92 7.76,74.19 34.73,74.19 35.73,73.19 35.73,67.69 33.23,65.19 28.89,65.19
/4040 2/Reset: length 12.6
  Bottom w0.2: 5.73,55.3 11.08,55.3 12.5,53.88 16.18,57.57 16.19,57.57
/4040/Clock: length 128.6
  Top w0.2: J3.1 89.57,46 U4.10 ; U5.4 53.92,38.2 53.92,28.8 U3.5 ; v1(52,9.5) 48.74,9.5 J4.2 J4.1
  Bottom w0.2: U5.4 58.07,43.95 84.53,43.95 85,44.42 85,47 86,48 87.57,48 J3.1 ; U3.5 54,26.5 54,11.5 v1(52,9.5) ; J4.1 42.31,13 40,13 19.5,33.5 19.5,35 18.5,36 17.5,36 16.23,37.27 U1.4
/4040/Q0: length 45
  Top w0.2: J2.2 67.26,31.65 69.49,31.65 71.75,33.9 71.75,42.77 76.13,47.15 90.73,47.15 90.73,44.61 U4.9
  Bottom w0.2: J2.2 J2.1
/4040/Q1: length 26
  Bottom w0.2: J2.4 J2.3 70.1,26.5 81.52,26.5 82.5,27.48 82.5,31.3 U4.7
/4040/Q2: length 58.8
  Bottom w0.2: 68.81,36 65.74,36 64.7,37.04 50,37.04 ; 68.81,36 68.81,32.87 J2.6 J2.5 ; 68.81,36 68.81,37.69 80.35,37.69 U4.6 ; 50,37.04 U5.2 ; 50,37.04 49.17,36.21 49.17,29.13 U3.3
/4040/Q3: length 11.4
  Top w0.2: U4.5 78.81,32.69 75.92,32.69 J2.8
  Bottom w0.2: J2.8 J2.7
/4040/Q4: length 7
  Bottom w0.2: J2.9 J2.10 75.73,31.03 U4.3
/4040/Q5: length 13.5
  Bottom w0.2: J2.11 J2.12 77.17,32.13 77.17,35.15 75.41,36.91 U4.2
/4040/Q6: length 8
  Bottom w0.2: J2.13 J2.14 81.34,31.61 U4.4
/4040/Q7: length 17.1
  Top w0.2: J2.16 84.45,31.06 84.45,36.13 U4.13
  Bottom w0.2: J2.16 J2.15
/4040/Q8: length 17.1
  Top w0.2: U4.12 86.99,36.13 86.99,31.06 J2.18
  Bottom w0.2: J2.18 J2.17
/4040/Q9: length 28.1
  Top w0.2: U4.14 77.61,44.19 83.31,44.19 84.79,42.71 84.79,41.21 90.31,35.69 90.31,31.84 J2.20
  Bottom w0.2: J2.20 J2.19
/4040/Q10: length 27.3
  Bottom w0.2: J2.21 J2.22 91.5,33.17 84.99,39.69 75.81,39.69 U4.15
/4040/Q11: length 47.5
  Top w0.2: U4.1 66.31,34.69 63.81,32.19 63.81,26.69 64.81,25.69 91.78,25.69 J2.23 J2.24
/4040/Reset: length 12.6
  Bottom w0.2: U4.11 83.35,42.31 J3.2 88.46,44.58 R7.1
/4046 2/Comp: length 54.1
  Top w0.2: 68.94,81.78 67.04,79.88 64.04,79.88 62.04,81.88 54.04,81.88 49.54,86.38 47,86.38
  Bottom w0.2: 68.94,81.78 67.79,80.62 81.04,67.38 82.04,67.38 83.54,65.88 83.54,64.88 85.85,62.57 85.85,61.68
/4046 2/SigIn: length 25.9
  Top w0.2: 55.8,79.38 58.34,79.38 58.34,75.78 58.75,75.38 58.75,71.59 57.54,70.38 56.15,70.38 54.35,72.18 49.27,67.1 49.27,64.56
/4046/Comp: length 54.1
  Top w0.2: SW2.2 32.49,20 35.5,20 37.5,18 45.5,18 J5.1 J5.2
  Bottom w0.2: SW2.2 31.75,19.25 18.5,32.5 17.5,32.5 16,34 16,35 13.69,37.31 U1.3
/4046/SigIn: length 25.9
  Top w0.2: 43.74,20.5 J9.1 41.19,24.09 C2.2 40.79,28.29 42,29.5 43.38,29.5 U3.2 50.27,32.78 U3.13
/4053 2/A: length 73
  Top w0.2: 94.07,85.88 88.57,80.38 68.54,80.38 52.72,64.56 51.81,64.56 ; v1(48.85,57.45) 51.86,60.46 U13.14
  Bottom w0.2: v1(48.85,57.45) 43.84,57.45 40.24,53.85 39.3,53.85 ; 96.61,85.88 94.07,85.88
/4053 2/B: length 44.7
  Top w0.2: 54.35,64.56 54.35,64.69 62.54,72.88 68.54,72.88 v1(75.04,79.38) ; 69.04,92.23 69.04,88.88 v1(69.54,88.38)
  Bottom w0.2: v1(69.54,88.38) 73.72,88.38 75.04,87.06 v1(75.04,79.38)
/4053 2/B1: length 90.2
  Top w0.2: 56.89,72.18 53.82,75.25 48.16,75.25 42.04,81.38 39.5,81.38 ; v1(57.3,55.95) 53.12,51.77 U5.11 ; 71.44,81.78 69.94,83.28 54.94,83.28 49.34,88.88 v1(44.54,88.88)
  Bottom w0.2: v1(44.54,88.88) 42.04,86.38 42.04,81.38 ; 56.89,72.18 53.04,68.33 53.04,61.88 54.04,60.88 54.04,59.21 v1(57.3,55.95)
/4053 2/C: length 58.1
  Bottom w0.2: 49.27,72.18 49.27,79.61 51.54,81.88 51.54,89.88 82.77,89.88 86.77,85.88 89.31,85.88
/4053 2/Select: length 142.2
  Top w0.2: 44.19,64.56 39.11,64.56 37.04,62.49 37.04,58.88 45.88,58.88 51.5,53.26 ; U5.12 50.58,52.34 51.5,53.26 ; J13.2 J13.1 ; 51.5,53.26 51.5,58.34 52.04,58.88 55.54,58.88 57.54,60.88 63.04,60.88 64.04,59.88 87.04,59.88 87.04,65.8 86.46,66.38 88.54,66.38 91.04,68.88 88.54,71.38 81.57,71.38
  Bottom w0.2: 80.04,92.38 81.54,90.88 91.04,90.88 91.54,90.38 91.54,74.88 88.04,71.38 81.57,71.38
/4053/A: length 53.6
  Top w0.2: J8.2 10.97,19.5 31,19.5 46.81,35.31 U3.14
  Bottom w0.2: J8.1 J8.2
/4053/B: length 44.7
  Top w0.2: v1(30,11.5) 30.5,11 SW1.2 ; U3.15 45.19,35.19 37,27 31,27 v1(24.5,20.5)
  Bottom w0.2: v1(30,11.5) 25.82,11.5 24.5,12.82 v1(24.5,20.5)
/4053/B1: length 72.9
  Top w0.2: v1(55,11) 50.2,11 44.6,16.6 29.59,16.6 SW2.1 ; J12.2 J12.1 51.9,24.1 46.24,24.1 U3.1
  Bottom w0.2: U5.1 46.5,38 46.5,31.55 U3.1 ; v1(55,11) 57.5,13.5 J12.1
/4053/C: length 92.9
  Bottom w0.2: 41.8,53.85 42.65,53 42.65,43.75 46.94,39.46 46.94,37.66 48.84,35.76 48.84,32.25 46.63,30.04 46.63,27.24 47.27,26.59 49.17,26.59 U3.4 50.27,20.27 48,18 48,10 16.77,10 J7.2 J7.1
/4053/Select: length 135.1
  Top w0.2: R12.1 11,28.5 8.5,31 11,33.5 R2.1 12.5,34.08 12.5,40 35.5,40 36.5,39 42,39 44,41 47.5,41 48.04,41.54 U5.13 53.66,41 62.5,41 62.5,37.39 U3.9 U3.10 U3.11 ; J6.1 J6.2
  Bottom w0.2: R12.1 11.5,28.5 8,25 8,9.5 8.5,9 18,9 J6.2
/4066/Ben: length 58.5
  Top w0.2: 22.5,30.5 22.4,30.5 Q1.3 ; 22.5,30.5 R11.2 ; 22.5,30.5 30,38 42.5,38 45,40.5 54.16,40.5 U5.5
/4066/Cen: length 87.6
  Top w0.2: 85,77.24 77.14,69.38 77.04,69.38 ; 77.04,69.38 69.54,61.88 v1(57.1,61.88) 57.04,61.88 ; 77.04,69.38 86.42,69.38 ; 59.1,59.25 v1(59.15,59.2) 62.83,55.52 62.83,36.16 60.89,34.21 54.89,34.21 54.25,34.86 54.25,35.77 57.48,39 U5.6
  Bottom w0.2: 57.05,61.75 57.05,61.3 v1(59.15,59.2)
Net-(C3-Pad2): length 6.9
  Top w0.2: C3.2 59.94,7.09 R6.3 R6.2
Net-(C9-Pad2): length 6.9
  Top w0.2: 39.59,89.18 39.59,92.78 39,93.38 41.5,93.38
Net-(J23-Pin_1): length 2.5
  Top w0.2: J23.1 J23.2
Net-(J24-Pin_1): length 2.5
  Bottom w0.2: J24.2 J24.1
Net-(Q1-B): length 20.3
  Top w0.2: Q1.2 14.14,20.5 15.5,20.5 23.5,28.5 R12.2
Net-(Q2-B): length 20.3
  Top w0.2: 71.41,71.38 76.04,71.38 84.04,79.38 85.4,79.38 87.54,77.24
Net-(U1-C1): length 5.1
  Top w0.2: C1.1 21.31,37.81 U1.6
Net-(U1-C2): length 4
  Top w0.2: U1.7 23,37.34 C1.2
Net-(U1-Inh): length 17.1
  Bottom w0.2: U1.5 20.47,36.5 30.52,36.5 30.54,36.52 31.46,36.52 31.48,36.5 33,36.5 R3.1
Net-(U1-PC2): length 49.6
  Top w0.2: R5.1 v1(39.54,15.46)
  Bottom w0.2: v1(39.54,15.46) 20,35 20,36 19.5,36.5 18.5,36.5 17.5,37.5 17.5,44.55 U1.13
Net-(U1-R1): length 11.3
  Top w0.2: R4.1 29.42,43.5 23.62,43.5 U1.11
Net-(U1-SigIn): length 43.7
  Bottom w0.2: C2.1 42.83,24.5 37,30.33 37,37 26.5,47.5 15.38,47.5 U1.14
Net-(U1-VCOin): length 59.3
  Top w0.2: R6.1 R5.3 R5.2 40.5,8.04 v1(40.5,16)
  Bottom w0.2: v1(40.5,16) 35.6,20.9 35.6,36.6 U1.9
Net-(U3-INH): length 5.8
  Top w0.2: R1.1 58.08,24.97 U3.6
Net-(U13-INH): length 5.8
  Top w0.2: 44.19,72.18 41.46,74.91 41.46,76.88
Net-(U15-C1): length 5.1
  Top w0.2: 81.54,65.38 78.23,62.07 78.23,61.68
Net-(U15-C2): length 4
  Top w0.2: 75.69,61.68 76.54,62.53 76.54,65.38
Net-(U15-Inh): length 17.1
  Bottom w0.2: 80.77,61.68 79.07,63.38 69.01,63.38 68.99,63.36 68.08,63.36 68.06,63.38 66.54,63.38 65.04,64.88
Net-(U15-PC2): length 49.6
  Top w0.2: 60,93.38 v1(60,84.42)
  Bottom w0.2: 83.31,54.06 82.04,55.33 82.04,62.38 81.04,63.38 80.04,63.38 79.54,63.88 79.54,64.88 v1(60,84.42)
Net-(U15-R1): length 11.3
  Top w0.2: 68.54,54.8 70.12,56.38 75.91,56.38 78.23,54.06
Net-(U15-SigIn): length 44.2
  Bottom w0.2: 85.85,54.06 83.63,51.85 73.56,51.85 62.54,62.88 62.54,69.54 56.7,75.38 56.25,75.38
Net-(U15-VCOin): length 59.3
  Top w0.2: 44,93.38 57.5,93.38 59.04,91.84 v1(59.04,83.88)
  Bottom w0.2: 73.15,54.06 63.94,63.27 63.94,78.98 v1(59.04,83.88)

## Copper pours and planes (outline as drawn; the poured copper is in the pictures)
GND on Bottom: 0,100 0,0 100,0 100,100
VCC on Top: 0,100 0,0 100,0 100,100

## Text on the board
F.Silkscreen: Input | GND | Output | VCC | Select | Q0-Q9 | 4017 Fdbk | 4046 / CmpIn | Chain | CmpIn | SigIn | Out | Cmp | Reset | /10 | 4 / 0 / 1 / 7 | 4046 | 4040 | 4053 | 4066
